# Altium PCB Control.PcbDoc
Units mil, origin at the board's own origin, x right, y up, seen from the top; angles counter-clockwise.
Board outline 5800 x 3500 mil, 2 copper layers (Top Layer, Bottom Layer); 62 components, 67 nets, 244 pads, 2 vias.
Unrouted connection lines stored in the file: 4.
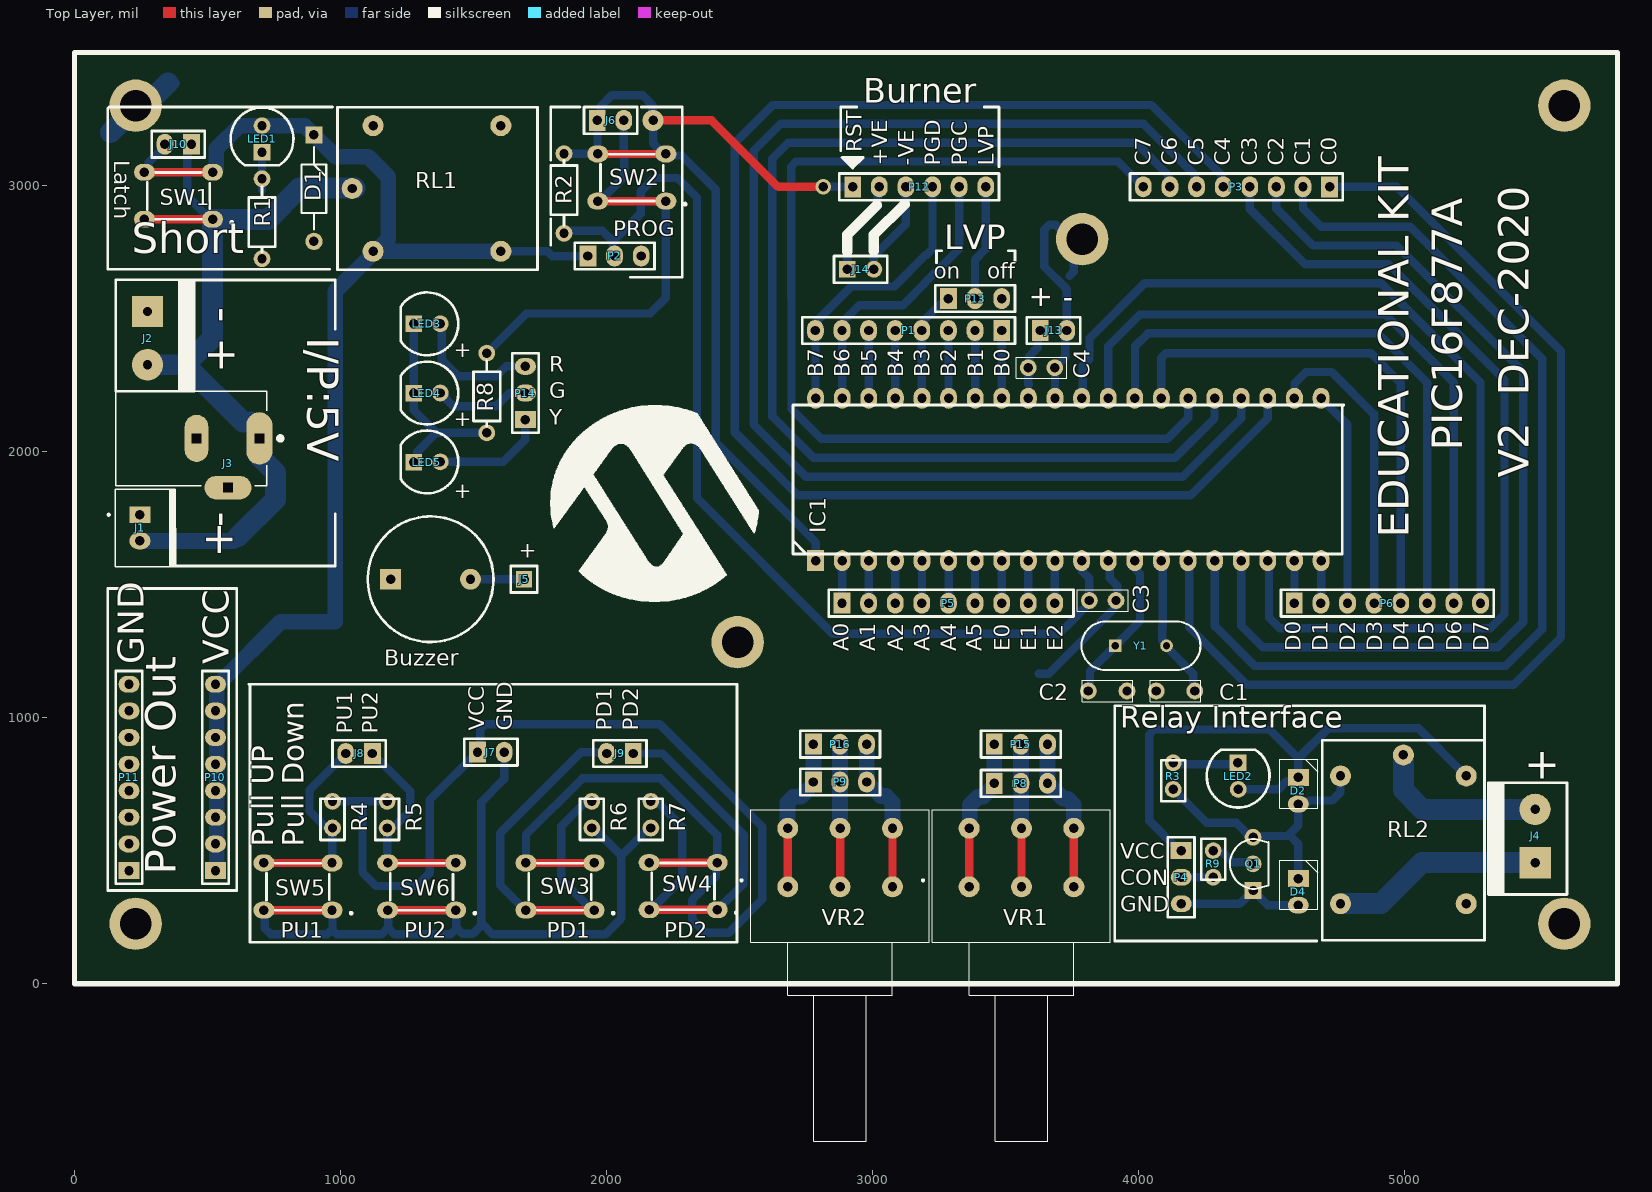
[diagram p0: Top Layer view]
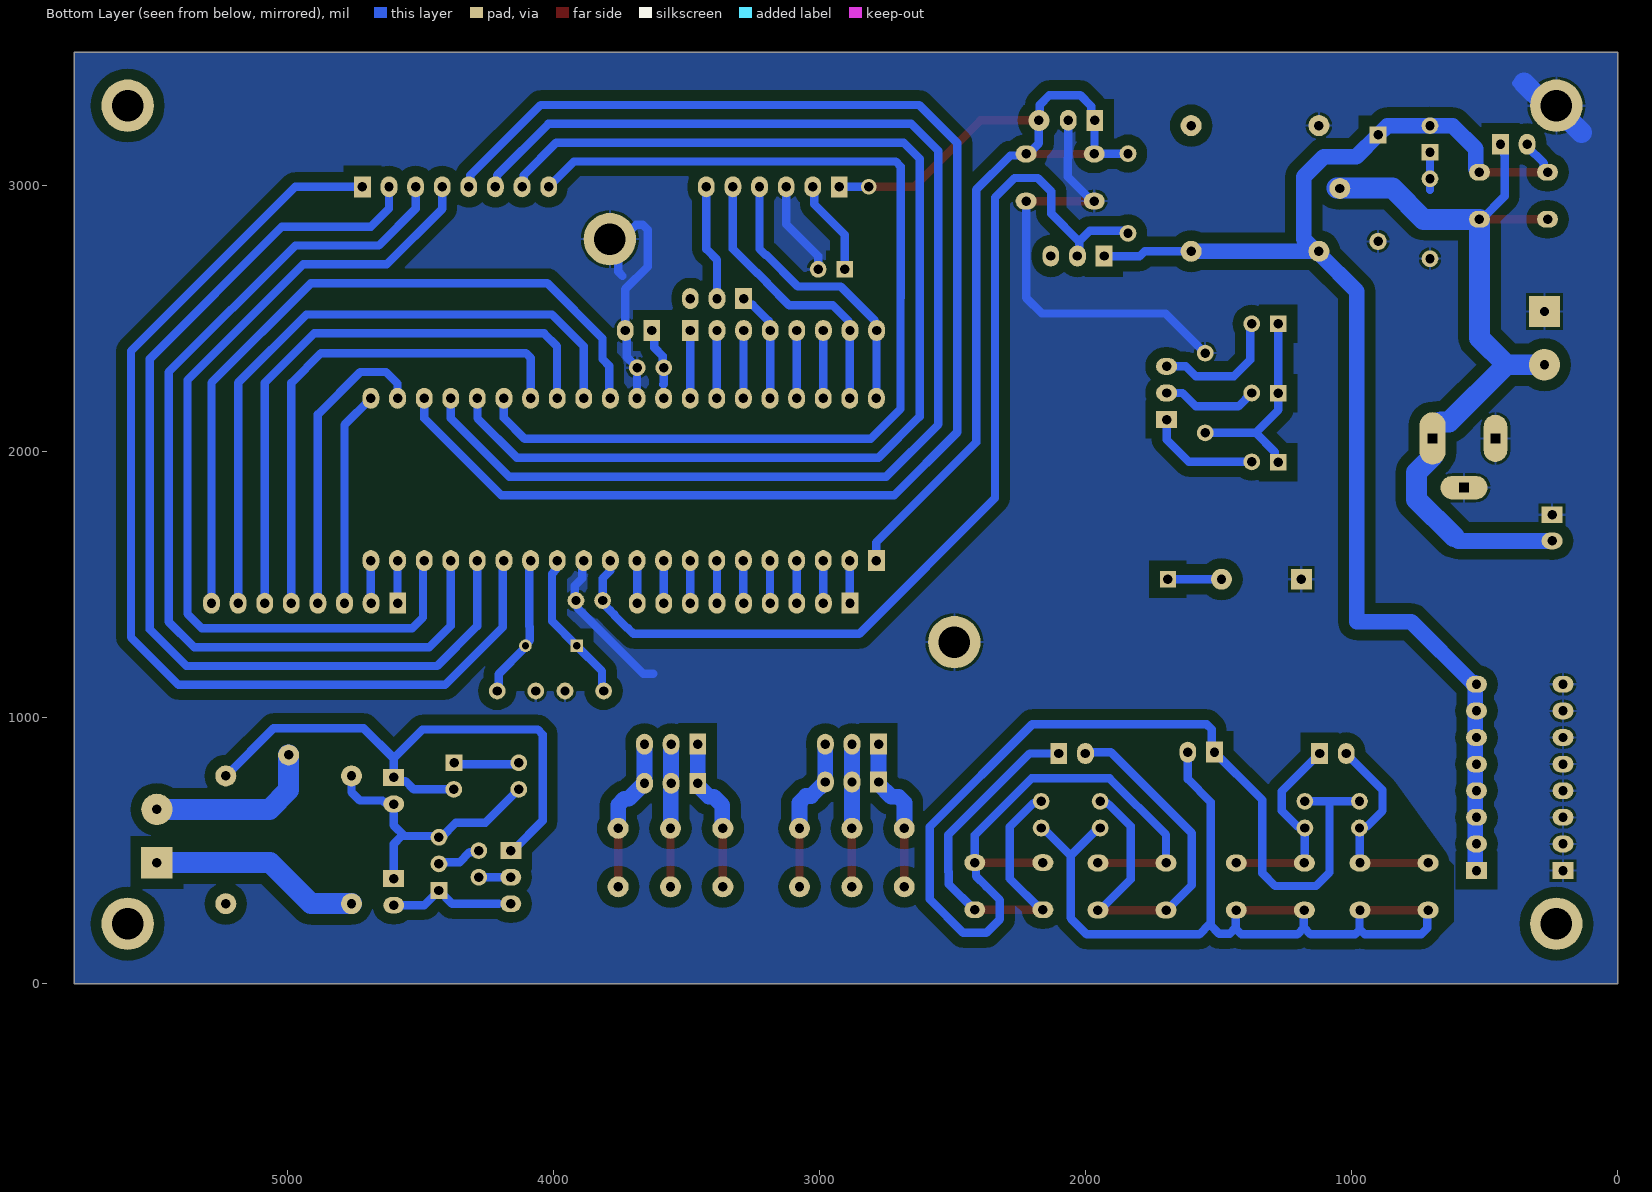
[diagram p1: Bottom Layer view, seen from below]
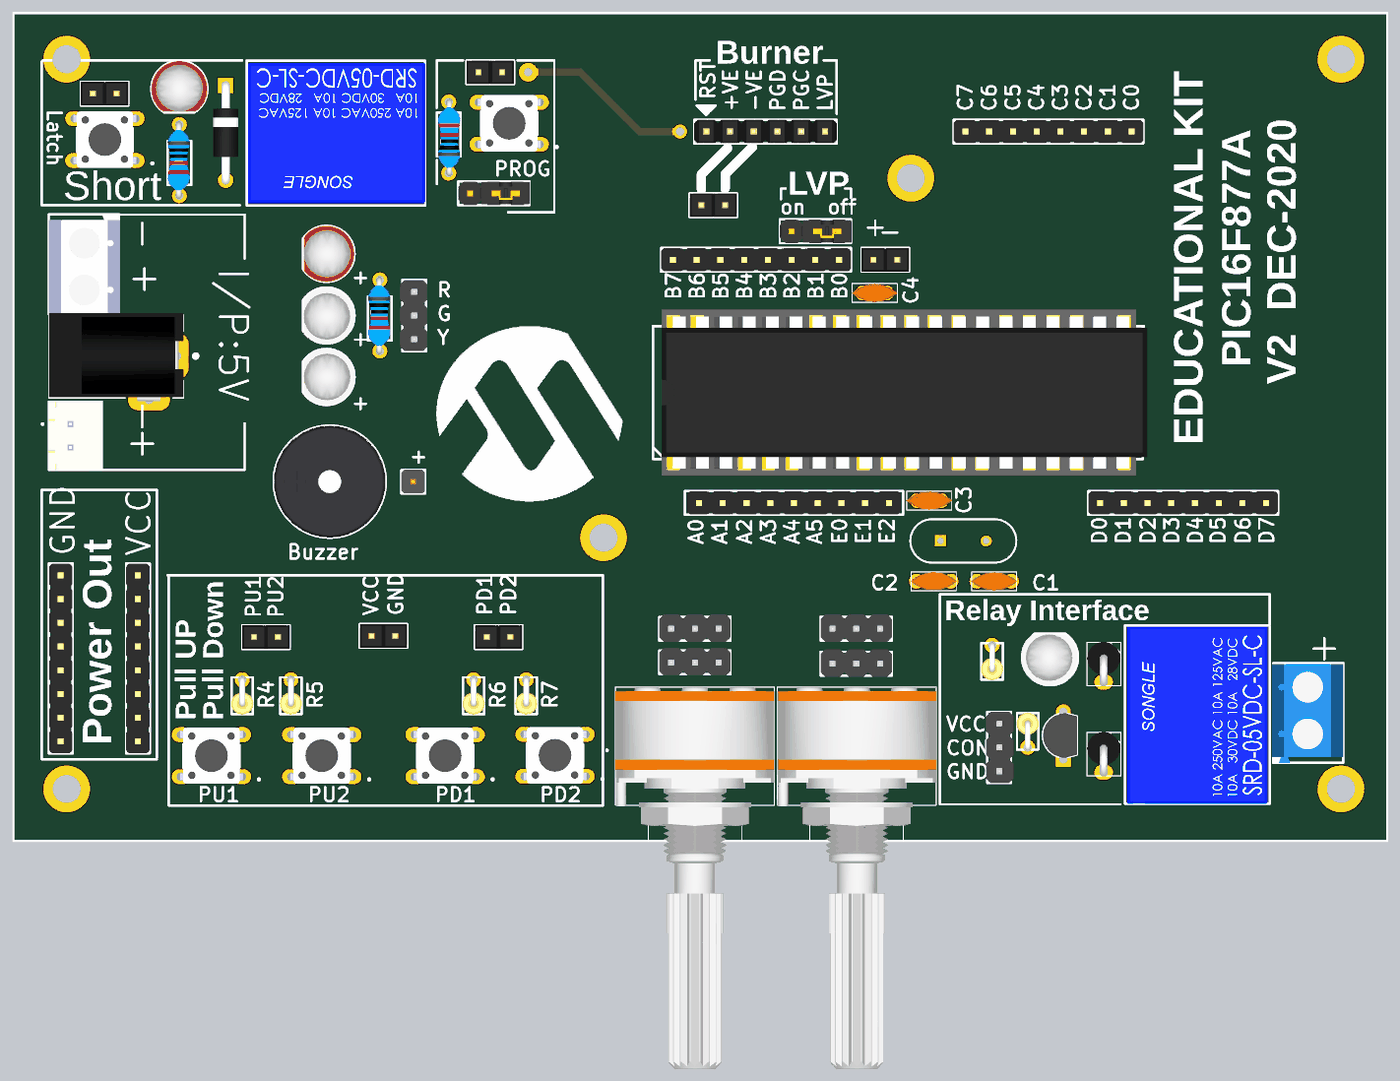
[diagram p2: 3D render of the assembled board from above, using the file's embedded part models]

## Layer stack, top to bottom
Top Solder: solder mask 0.4, Solder Resist, Dk 3.5
Top Layer: signal copper 1.4
Dielectric 1: dielectric 12.6, FR-4, Dk 4.8
Bottom Layer: signal copper 1.4
Bottom Solder: solder mask 0.4, Solder Resist, Dk 3.5

## Board outline
0,0 5800,0 5800,3500 0,3500

## Design rules (kind name [scope] priority, off if disabled: settings)
Clearance [All] p1: gap=39.37 ignorepadtopadclearanceinfootprint=FALSE
PolygonConnect [All] p1: connectstyle=Relief reliefconductorwidth=10 reliefentries=4 polygonreliefangle="90 Angle" airgapwidth=10
RoutingVias [All] p1: holewidth=28 width=50 viastyle="Through Hole" minholewidth=28 minwidth=50 maxholewidth=28 maxwidth=50
SolderMaskExpansion [All] p1: expansion=4 istentingtop=FALSE
Width [All] p1: maxlimit=78.74 minlimit=23.62 preferedwidth=31.5
30 further rules are at their usual default settings.

## Components (designator, comment, footprint, x,y, rotation, side; value= is the part's Value field where it differs from the comment)
Buzzer "Buzzer 5V" "BUZZER 7.62MM PITCH 12MM DIA" 1338.66,1520 r90 top
C1 "33pF 50V" "CAP CERAMIC 104" 4138.71,1100 r0 top
C2 "33pF 50V" "CAP CERAMIC 104" 3883.71,1100 r180 top
C3 "100nF 50V" "CAP CERAMIC 104 2.54" 3865,1440 r180 top
C4 "100nF 50V" "CAP CERAMIC 104 2.54" 3635,2315 r0 top
D1 "1N4007" "DIODE 10.16MM TH H" 900,2990 r270 top
D2 "1N4007" "DIODE 2.54MM TH V" 4600,725 r270 top
D4 "1N4007" "DIODE 2.54MM TH V" 4600,345 r270 top
IC1 "PIC16F877A" "PIC16F877A TH With Socket" 3735.64,1894.96 r90 top
J1 "JST on PCB Connector 2 pins" "JST_B2B TH" 245.91,1713.27 r270.05 top locked
J2 "Terminal Block Green 5.08mm" "SCREW TERMINAL BLOCK 5.08MM TH GREEN" 274.6,2426.26 r0 top locked
J3 "DC Power Jack PJ002" "DC POWER JACK 2.1MM PJ-002AH TH" 695,2049.33 r180 top locked
J4 "Terminal Block Blue 5.08mm" "SCREW TERMINAL BLOCK 5.08MM TH BLUE" 5490,555 r180 top
J5 "Pin" PIN 1690.04,1520 r270 top
J6 "Header male 2 ways" "HEADER MALE 2.54MM 2 PINS TH"#1 2015,3245 r0 top
J7 "Header male 2 ways" "HEADER MALE 2.54MM 2 PINS TH"#1 1565,870 r0 top
J8 "Header male 2 ways" "HEADER MALE 2.54MM 2 PINS TH"#1 1070,865 r180 top
J9 "Header male 2 ways" "HEADER MALE 2.54MM 2 PINS TH"#1 2050,865 r180 top
J10 "Header male 2 ways" "HEADER MALE 2.54MM 2 PINS TH"#1 390,3155 r180 top
J13 "Header male 2 ways" "HEADER MALE 2.54MM 2 PINS TH"#1 3680,2455 r0 top
J14 "Header male 2 ways" "HEADER MALE 2.54MM 2 PINS TH"#2 2955,2685 r0 top
LED1 "RED 5mm" "LED 5MM RED TH" 705,3175 r90 top
LED2 "Green 5mm" "LED 5MM GREEN TH" 4374,780 r270 top
LED3 "RED 5mm" "LED 5MM RED TH" 1325,2480 r0 top
LED4 "Green 5mm" "LED 5MM GREEN TH" 1325,2220 r0 top
LED5 "Yellow 5mm" "LED 5MM YELLOW TH" 1325,1961 r0 top
P1 "Header male 8 ways" "HEADER MALE 2.54MM 8 PINS TH" 3135,2455 r180 top
P2 "Header male 3 ways with jumper" "HEADER MALE 2.54MM 3 PINS WITH JUMPER TH" 2030,2735 r0 top
P3 "Header male 8 ways" "HEADER MALE 2.54MM 8 PINS TH" 4367.69,2995 r180 top
P4 "Header male 3 ways" "HEADER MALE 2.54MM 3 PINS TH" 4160,400 r270 top
P5 "Header male 9 ways" "HEADER MALE 2.54MM 9 PINS TH" 3285,1430 r0 top
P6 "Header male 8 ways" "HEADER MALE 2.54MM 8 PINS TH" 4935,1430 r0 top
P8 "Header male 3 ways" "HEADER MALE 2.54MM 3 PINS TH" 3557.5,752.95 r0 top
P9 "Header male 3 ways" "HEADER MALE 2.54MM 3 PINS TH" 2877.5,757.95 r0 top
P10 "Header male 8 ways" "HEADER MALE 2.54MM 8 PINS TH" 530,775 r90 top
P11 "Header male 8 ways" "HEADER MALE 2.54MM 8 PINS TH" 205,775 r90 top
P12 "Header male 6 ways" "HEADER MALE 2.54MM 6 PINS TH" 3175,2995 r0 top
P13 "Header male 3 ways with jumper" "HEADER MALE 2.54MM 3 PINS WITH JUMPER TH" 3385,2575 r0 top
P14 "Header male 3 ways" "HEADER MALE 2.54MM 3 PINS TH" 1695,2220 r90 top
P15 "Header male 3 ways" "Header Male 2.54mm 3 Pins TH" 3557.5,900 r0 top
P16 "Header male 3 ways" "Header Male 2.54mm 3 Pins TH" 2877.5,900 r0 top
Q1 "Transistor PN2222" PN2222 4430,450 r90 top
R1 "330R 0.25W" "RES 7.62MM H TH" 705,2875 r90 top
R2 "10K 0.25W" "RES 7.62MM H TH" 1840,2970 r270 top
R3 "330R 0.25W" "RES 2.54MM V TH" 4130,780 r90 top
R4 "10K 0.25W" "RES 2.54MM V TH" 970,635 r90 top
R5 "10K 0.25W" "RES 2.54MM V TH" 1175,635 r90 top
R6 "10K 0.25W" "RES 2.54MM V TH" 1945,635 r90 top
R7 "10K 0.25W" "RES 2.54MM V TH" 2166.63,635 r90 top
R8 "330R 0.25W" "RES 7.62MM H TH" 1550,2220 r90 top
R9 "330R 0.25W" "RES 2.54MM V TH" 4280,450 r270 top
RL1 "Relay 5V SRD-05VDC-SL-C" "RELAY SRD-05VDC-SL-C" 1323.23,2988.78 r0 top
RL2 "Relay 5V SRD-05VDC-SL-C" "RELAY SRD-05VDC-SL-C" 4995,580 r270 top
SW1 "Tactile Switch 4 poles" "TACTILE SWITCH 6*6*5 TH" 391.03,2961.5 r180 top locked
SW2 "Tactile Switch 4 poles" "TACTILE SWITCH 6*6*5 TH" 2095,3030 r180 top
SW3 "Tactile Switch 4 poles" "TACTILE SWITCH 6*6*5 TH" 1825,365 r180 top
SW4 "Tactile Switch 4 poles" "TACTILE SWITCH 6*6*5 TH" 2287.95,366.42 r180 top
SW5 "Tactile Switch 4 poles" "TACTILE SWITCH 6*6*5 TH" 840,365 r180 top
SW6 "Tactile Switch 4 poles" "TACTILE SWITCH 6*6*5 TH" 1305,365 r180 top
VR1 "Potentiometer 10K" "POTENTIOMETER 90 DEG DUAL" 3539.67,-41.18 r0 top
VR2 "Potentiometer 10K" "POTENTIOMETER 90 DEG DUAL" 2857.82,-41.18 r0 top
Y1 "Crystal 8MHz" FOX-FOXSLF-2_V 4008.71,1270 r0 top

## Footprints (in the part's own frame and the unit in brackets; to place one, negate y for a bottom-side part, rotate by r counter-clockwise, add the part's x,y. Pads: shape width x height; smd on the part's side, far side on the other; paste and mask are expansions set on the pad)
"BUZZER 7.62MM PITCH 12MM DIA" [mm]
  round 2 hole 0.9: 1(0,-3.81)
  rect 2x2 hole 0.9: 2(0,3.81)
  silkscreen extent -6,-6 6,6, body extent -5.99,-6 5.99,6, height 7.51
"CAP CERAMIC 104" [mm]
  round 1.6 hole 0.9: 1(-1.841,0) 2(1.841,0)
  silkscreen extent -2.41,-1.02 2.41,1.02, body extent -2.47,-1.01 2.45,0.99, height 6.89
"CAP CERAMIC 104 2.54" [mm]
  round 1.6 hole 0.9: 1(-1.27,0) 2(1.27,0)
  silkscreen extent -2.41,-1.02 2.41,1.02, body extent -2.47,-1.01 2.45,0.99, height 6.89
"DC POWER JACK 2.1MM PJ-002AH TH" [mm]
  oval 2.5x5 hole 0.9 square: 1(0,0)
  oval 4.5x2.25 hole 0.9 square: 2(3,4.7)
  oval 2.25x4.5 hole 0.9 square: 2(6,0)
  silkscreen extent -2.2,-4.5 13.7,4.5, body extent -0.68,-4.57 13.72,4.83, height 11.05
"DIODE 2.54MM TH V" [mm] "2.54mm Vertical"
  rect 1.6x2 hole 0.9: 1(-1.27,0)
  oval 1.6x2 hole 0.9: 2(1.27,0)
  silkscreen extent -3,-1.78 1.65,1.84, body extent -3.05,-1.78 1.7,1.78, height 11.05
"DIODE 10.16MM TH H" [mm] "10.16mm"
  rect 1.65x1.65 hole 0.9: 1(-5.08,0)
  round 1.65 hole 0.9: 2(5.08,0)
  silkscreen extent -3.94,-1.17 3.94,1.17, body extent -5.51,-1.36 5.51,1.36, height 2.72
FOX-FOXSLF-2_V [mm] "THD, 2-Leads, Body 11.35x4.65mm, Pitch 4.88mm"
  rect 1.2x1.2 hole 0.7: 1(-2.44,0)
  round 1.2 hole 0.7: 2(2.44,0)
  silkscreen extent -5.68,-2.32 5.68,2.32, body extent -5.68,-2.33 5.68,2.33, height 3.6
"HEADER MALE 2.54MM 2 PINS TH"#1 [mm] "Header Male 2.54mm 2 Pins TH"
  rect 1.6x2 hole 0.9: 1(-1.27,0)
  oval 1.6x2 hole 0.9: 2(1.27,0)
  silkscreen extent -2.54,-1.27 2.54,1.27, body extent -2.54,-1.27 2.54,1.27, height 8.45
"HEADER MALE 2.54MM 2 PINS TH"#2 [mm] "Header Male 2.54mm 2 Pins TH"
  rect 1.6x1.6 hole 0.9: 1(-1.27,0)
  round 1.6 hole 0.9: 2(1.27,0)
  silkscreen extent -2.54,-1.27 2.54,1.27, body extent -2.54,-1.27 2.54,1.27, height 8.45
"HEADER MALE 2.54MM 3 PINS TH" [mm] "Header Male 2.54mm 3 Pins TH"
  rect 1.6x2 hole 0.9: 1(-2.54,0)
  oval 1.6x2 hole 0.9: 2(0,0) 3(2.54,0)
  silkscreen extent -3.81,-1.27 3.81,1.27, body extent -3.81,-1.4 3.81,1.52, height 8.52
"Header Male 2.54mm 3 Pins TH" [mm] "Header Male 2.54mm 3 Pins TH"
  rect 1.6x2 hole 0.9: 1(-2.54,0)
  oval 1.6x2 hole 0.9: 2(0,0) 3(2.54,0)
  silkscreen extent -3.81,-1.27 3.81,1.27, body extent -3.81,-1.4 3.81,1.52, height 8.52
"HEADER MALE 2.54MM 3 PINS WITH JUMPER TH" [mm] "Header Male 2.54mm 3 Pins with jumper TH"
  rect 1.6x2 hole 0.9: 1(-2.54,0)
  oval 1.6x2 hole 0.9: 2(0,0) 3(2.54,0)
  silkscreen extent -3.81,-1.27 3.81,1.27, body extent -3.81,-1.27 3.87,1.27, height 8.6
"HEADER MALE 2.54MM 6 PINS TH" [mm] "Header Male 2.54mm 6 Pins TH"
  rect 1.6x2 hole 0.9: 1(-6.35,0)
  oval 1.6x2 hole 0.9: 2(-3.81,0) 3(-1.27,0) 4(1.27,0) 5(3.81,0) 6(6.35,0)
  silkscreen extent -7.62,-1.27 7.62,1.27, body extent -7.62,-1.27 7.62,1.27, height 8.96
"HEADER MALE 2.54MM 8 PINS TH" [mm] "Header Male 2.54mm 8 Pins TH"
  rect 1.6x2 hole 0.9: 1(-8.89,0)
  oval 1.6x2 hole 0.9: 2(-6.35,0) 3(-3.81,0) 4(-1.27,0) 5(1.27,0) 6(3.81,0) 7(6.35,0) 8(8.89,0)
  silkscreen extent -10.16,-1.27 10.16,1.27, body extent -10.16,-1.24 10.16,1.25, height 8.64
"HEADER MALE 2.54MM 9 PINS TH" [mm] "Header Male 2.54mm 9 Pins TH"
  rect 1.6x2 hole 0.9: 1(-10.16,0)
  oval 1.6x2 hole 0.9: 2(-7.62,0) 3(-5.08,0) 4(-2.54,0) 5(0,0) 6(2.54,0) 7(5.08,0) 8(7.62,0) 9(10.16,0)
  silkscreen extent -11.43,-1.27 11.94,1.27, body extent -11.18,-1.24 11.68,1.24, height 8.64
"JST_B2B TH" [mm]
  oval 1.6x2 hole 0.9: 1(1.25,0)
  rect 1.6x2 hole 0.9: 2(-1.25,0)
  silkscreen extent -3.7,-3.07 3.7,3.4, body extent -3.7,-2.35 3.7,3.4, height 3.41
"LED 5MM GREEN TH" [mm]
  round 1.6 hole 0.9: 1(1.27,0)
  rect 1.6x1.6 hole 0.9: 2(-1.27,-0.025)
  silkscreen extent -2.51,-3 3,3, body extent -2.46,-3.1 2.96,2.92, height 8.61
"LED 5MM RED TH" [mm]
  round 1.6 hole 0.9: 1(1.27,0)
  rect 1.6x1.6 hole 0.9: 2(-1.27,0)
  silkscreen extent -2.51,-3 3,3, body extent -2.44,-3.01 2.98,3.01, height 8.6
"LED 5MM YELLOW TH" [mm]
  round 1.6 hole 0.9: 1(1.27,0)
  rect 1.6x1.6 hole 0.9: 2(-1.27,-0.025)
  silkscreen extent -2.51,-3 3,3, body extent -2.44,-3.01 2.98,3.01, height 8.61
"PIC16F877A TH With Socket" [mm]
  rect 2x1.6 hole 0.9: 1(-7.748,24.13)
  oval 2x1.6 hole 0.9: 2(-7.748,21.59) 3(-7.748,19.05) 4(-7.748,16.51) 5(-7.748,13.97) 6(-7.748,11.43) 7(-7.748,8.89) 8(-7.748,6.35) 9(-7.748,3.81) 10(-7.748,1.27) 11(-7.748,-1.27) 12(-7.748,-3.81) 13(-7.748,-6.35) 14(-7.748,-8.89) 15(-7.748,-11.43) 16(-7.748,-13.97) 17(-7.748,-16.51) 18(-7.748,-19.05) 19(-7.748,-21.59) 20(-7.748,-24.13) 21(7.748,-24.13) 22(7.748,-21.59) 23(7.748,-19.05) 24(7.748,-16.51) 25(7.748,-13.97) 26(7.748,-11.43) 27(7.748,-8.89) 28(7.748,-6.35) 29(7.748,-3.81) 30(7.748,-1.27) 31(7.748,1.27) 32(7.748,3.81) 33(7.748,6.35) 34(7.748,8.89) 35(7.748,11.43) 36(7.748,13.97) 37(7.748,16.51) 38(7.748,19.05) 39(7.748,21.59) 40(7.748,24.13)
  silkscreen extent -7.11,-26.29 7.11,26.29, body extent -8.89,-26.63 8.89,25.36, height 8.28
PIN [mm]
  rect 1.55x1.55 hole 0.9: 1(0,0)
  silkscreen extent -1.27,-1.27 1.27,1.27, body extent -1.27,-1.27 1.27,1.27, height 5.95
PN2222 [mm] "TO, 3-Leads, Body Dia 4.79mm, Pitch 1.27mm"
  rect 1.6x1.6 hole 0.9: 1(-2.54,0)
  round 1.6 hole 0.9: 2(0,0) 3(2.54,0)
  silkscreen extent -2.39,-1.47 2.4,2.2, body extent -2.38,-1.47 2.38,2.19, height 4.82
"POTENTIOMETER 90 DEG DUAL" [mm]
  round 2 hole 0.9: 1(-4.492,10.287) 1(-4.492,15.875) 2(0.508,10.287) 2(0.508,15.875) 3(5.508,10.287) 3(5.508,15.875)
  silkscreen extent -9,-14 9,17.65, body extent -7.99,-23.2 9.01,17.65, height 21.21
"RELAY SRD-05VDC-SL-C" [mm]
  round 2 hole 0.9: 1(-7.1,0) 2(-5.1,6) 3(-5.1,-6) 4(7.1,6) 5(7.1,-6)
  silkscreen extent -8.5,-7.75 10.6,7.75, body extent -8.37,-7.5 10.63,7.5, height 14.52
"RES 2.54MM V TH" [mm]
  round 1.6 hole 0.9: 1(-1.27,0) 2(1.27,0)
  silkscreen extent -2.41,-1.14 1.52,1.14, body extent -2.47,-1.2 1.57,1.2, height 9.4
"RES 7.62MM H TH" [mm]
  round 1.6 hole 0.9: 1(-3.81,0) 2(3.81,0)
  silkscreen extent -3.17,-1.27 3.05,1.27, body extent -4.11,-1.14 4.11,1.27, height 3.36
"SCREW TERMINAL BLOCK 5.08MM TH BLUE" [mm]
  round 3 hole 0.9: 1(0,-2.54)
  rect 3x3 hole 0.9: 2(0,2.54)
  silkscreen extent -3.05,-5.08 4.45,5.59, body extent -3.04,-5 4.56,5.6, height 10.01
"SCREW TERMINAL BLOCK 5.08MM TH GREEN" [mm]
  round 3 hole 0.9: 1(0,-2.54)
  rect 3x3 hole 0.9: 2(0,2.54)
  silkscreen extent -3.05,-5.08 4.44,5.59, body extent -3.04,-5 4.56,5.6, height 10.01
"TACTILE SWITCH 6*6*5 TH" [mm]
  oval 2x1.6 hole 0.9: 1(-3.25,2.25) 1(3.25,2.25) 2(-3.25,-2.25) 2(3.25,-2.25)
  silkscreen extent -5.18,-2.21 3,2.64, body extent -3.87,-3.01 3.87,3.02, height 5.02

## Part data
Buzzer: library part Speaker, "Loudspeaker or Buzzer", Manufacturer_Name="RS Components", Manufacturer_Part_Number=7243178, Datasheet Link=https://docs.rs-online.com/093f/0900766b815817dd.pdf, Height=14.5mm
C1 C2 C3 C4: library part Ceramic_Capacitors, "Capacitor Ceramic", Capacitance=100nF, Case/Package=Dipped, Dielectric=X7R, Manufacturer=KEMET, Manufacturer Part Number=C320C104M5R5TA7301, Max Operating Temperature=125°C, Min Operating Temperature=-55°C, Package Quantity=2500, Supplier Part Number 1=399-13978-1-ND, Tolerance=20%, Voltage Rating=50V, Category="Ceramic Capacitors", ComponentLink1Description=https://datasheet.ciiva.com/5396/f3101-goldmax-5396597.pdf?src-supplier=Mouser, ComponentLink1URL=https://datasheet.ciiva.com/5396/f3101-goldmax-5396597.pdf?src-supplier=Mouser, Depth=3.18mm, Dissipation Factor=2.5%, Height=3.18mm, Lead Diameter=0.51mm, Lead Pitch=2.54mm, Lead/Base Style=Straight, Length=6.6mm, Packaging="Tape and Reel", Pricing 1="1=0.24000, 10=0.16200, 50=0.10800, 100=0.09180, 500=0.06480, 1000=0.05670 (USD)", RoHS=Yes, Stock 1=8222, Supplier 1=Digi-Key, Termination=Radial, Width=5.08mm
D1 D2 D4: library part Diodes, "Diodes", Arrow Part Number=1N4007-E3/53, Manufacturer_Name=Vishay, Mouser Part Number=625-1N4007-E3/53, Arrow Price/Stock=https://www.arrow.com/en/products/1n4007-e353/vishay, Datasheet Link=http://www.vishay.com/docs/88503/1n4001.pdf, Manufacturer_Part_Number=1N4007-E3/53, Mouser Price/Stock=https://www.mouser.co.uk/ProductDetail/Vishay-General-Semiconductor/1N4007-E3-53?qs=N4vtoAxH%2FSpFgYSIWmQOdg%3D%3D
IC1: "Integrated Circuit", Arrow Part Number=PIC16F877A-I/P, Manufacturer_Name=Microchip, Mouser Part Number=579-PIC16F877A-I/P, Arrow Price/Stock=https://www.arrow.com/en/products/pic16f877a-ip/microchip-technology, Datasheet Link=http://componentsearchengine.com/Datasheets/1/PIC16F877A-I_P.pdf, Height=4.83mm, Manufacturer_Part_Number=PIC16F877A-I/P, Mouser Price/Stock=https://www.mouser.co.uk/ProductDetail/Microchip-Technology/PIC16F877A-I-P?qs=Vn0zuzr35GH%252Bfm6E5Siyuw%3D%3D
J1 J2 J3 J4 J6 J7 J8 J9 J10 J13 J14: library part Terminal_Block_2Pos, "Terminals 2POS", Color=Green, Current=10A, Current Rating=13.5A, Flammability Rating="UL94 V-0", Manufacturer="Phoenix Contact", Manufacturer Part Number=1729128, Max Operating Temperature=100°C, Max Supply Voltage=400V, Min Operating Temperature=-20°C, Package Quantity=50, Supplier Part Number 1=277-1247-ND, Test Voltage=4kV, Voltage=300V, Approvals=UL,CSA, Category="Terminal Blocks", ComponentLink1Description=https://datasheet.ciiva.com/823/1729128-823779.pdf?src-supplier=Digi-Key, ComponentLink1URL=https://datasheet.ciiva.com/823/1729128-823779.pdf?src-supplier=Digi-Key, ComponentLink2Description=https://datasheet.ciiva.com/15169/getdatasheetpartid-199310-15169845.pdf?src-supplier=Verical, ComponentLink2URL=https://datasheet.ciiva.com/15169/getdatasheetpartid-199310-15169845.pdf?src-supplier=Verical, ComponentLink3Description=https://datasheet.ciiva.com/16046/1729128-16046181.pdf?src-supplier=Onlinecomponents.com, ComponentLink3URL=https://datasheet.ciiva.com/16046/1729128-16046181.pdf?src-supplier=Onlinecomponents.com, ComponentLink4Description=https://datasheet.ciiva.com/14607/70054405-14607157.pdf?src-supplier=Allied+Electronics, ComponentLink4URL=https://datasheet.ciiva.com/14607/70054405-14607157.pdf?src-supplier=Allied+Electronics, ComponentLink5Description=https://datasheet.ciiva.com/29218/743664-da-01-en-printklemmenblock-mkdsn-1-5-2-5-08-29218154.pdf?src-supplier=Conrad, ComponentLink5URL=https://datasheet.ciiva.com/29218/743664-da-01-en-printklemmenblock-mkdsn-1-5-2-5-08-29218154.pdf?src-supplier=Conrad, Connector Type=Screw, Contact Material=Tin, Depth=8.1mm, Height=13.5mm, Housing Color=Green, Housing Material=Polyamide, Insulation Material=Nylon, Lead Free="Lead Free", Length=8.1mm, Max Current Rating=13.5A, Mount="Through Hole", Number of Circuits=2, Number of Contacts=2, Number of Levels=1, Number of Pins=2, Number of Poles=2, Number of Positions=2, Number of Positions Per Level=2, Number of Rows=1, Orientation=Straight, Packaging=Bulk, Pitch=5.08mm, Pricing 1="1=1.09000, 10=1.04700, 50=1.00100, 100=0.97370, 250=0.91000, 500=0.83720, 1000=0.77350, 2500=0.73710, 5000=0.69160 (USD)", Radiation Hardening=No, REACH SVHC="No SVHC", RoHS=Yes, Stock 1=9869, Supplier 1=Digi-Key, Termination=Screw, Voltage Rating=400V, Weight=0.069842oz, Width=13.5mm, Wire Gauge (Max)=26AWG, Wire Gauge (Min)=14AWG, Wire/Cable Gauge=26AWG
LED1 LED2 LED3 LED4 LED5: library part LEDs_Single, "LEDs", Case/Package=Radial, Color=Red, Forward Current=20mA, Forward Voltage=1.8V, Manufacturer="Vishay Semiconductors", Manufacturer Part Number=TLDR5400, Max Operating Temperature=100°C, Min Operating Temperature=-40°C, Package Quantity=4000, Power Dissipation=100mW, Reverse Voltage=6V, Supplier Part Number 1=70061525, Category=LEDs, ComponentLink1Description=https://datasheet.ciiva.com/28652/tldr5400-28652624.pdf?src-supplier=Element14, ComponentLink1URL=https://datasheet.ciiva.com/28652/tldr5400-28652624.pdf?src-supplier=Element14, ComponentLink2Description=https://datasheet.ciiva.com/7639/6597-7639122.pdf?src-supplier=Element14, ComponentLink2URL=https://datasheet.ciiva.com/7639/6597-7639122.pdf?src-supplier=Element14, ComponentLink3Description=https://datasheet.ciiva.com/4691/tldr5400-240375-4691911.pdf?src-supplier=Mouser, ComponentLink3URL=https://datasheet.ciiva.com/4691/tldr5400-240375-4691911.pdf?src-supplier=Mouser, ComponentLink4Description=https://datasheet.ciiva.com/18446/70061525-18446460.pdf?src-supplier=Allied+Electronics, ComponentLink4URL=https://datasheet.ciiva.com/18446/70061525-18446460.pdf?src-supplier=Allied+Electronics, Depth=5.8mm, Diameter=5mm, Dominant Wavelength=648nm, Height=8.7mm, Illumination Color=Red, Lead Length=24mm, Length=5.8mm, Lens Style=Diffused,Dome,Colored,Circular,Round, Lens Transparency=Diffused, Luminous Intensity=70mcd, Mount="Through Hole", Number of Elements=1, Number of LEDs=1, Number of Pins=2, Packaging=Bulk, Pricing 1="4000=0.13000, 40000=0.12800, 100000=0.12600 (USD)", Radiation Hardening=No, REACH SVHC=Unknown, RoHS=Yes, Supplier 1="Allied Electronics", Test Current=20mA, Viewing Angle=30°, Wavelength=650nm